# Altium PCB PCB-Tester-Board-V1.PcbDoc (part 2 of 3)
Units mm, origin at the board's own origin, x right, y up, seen from the top; angles counter-clockwise.
Board outline 400 x 300 mm, 2 copper layers (Top Layer, Bottom Layer); 573 components, 588 nets, 2372 pads, 0 vias.
Unrouted connection lines stored in the file: 1691.
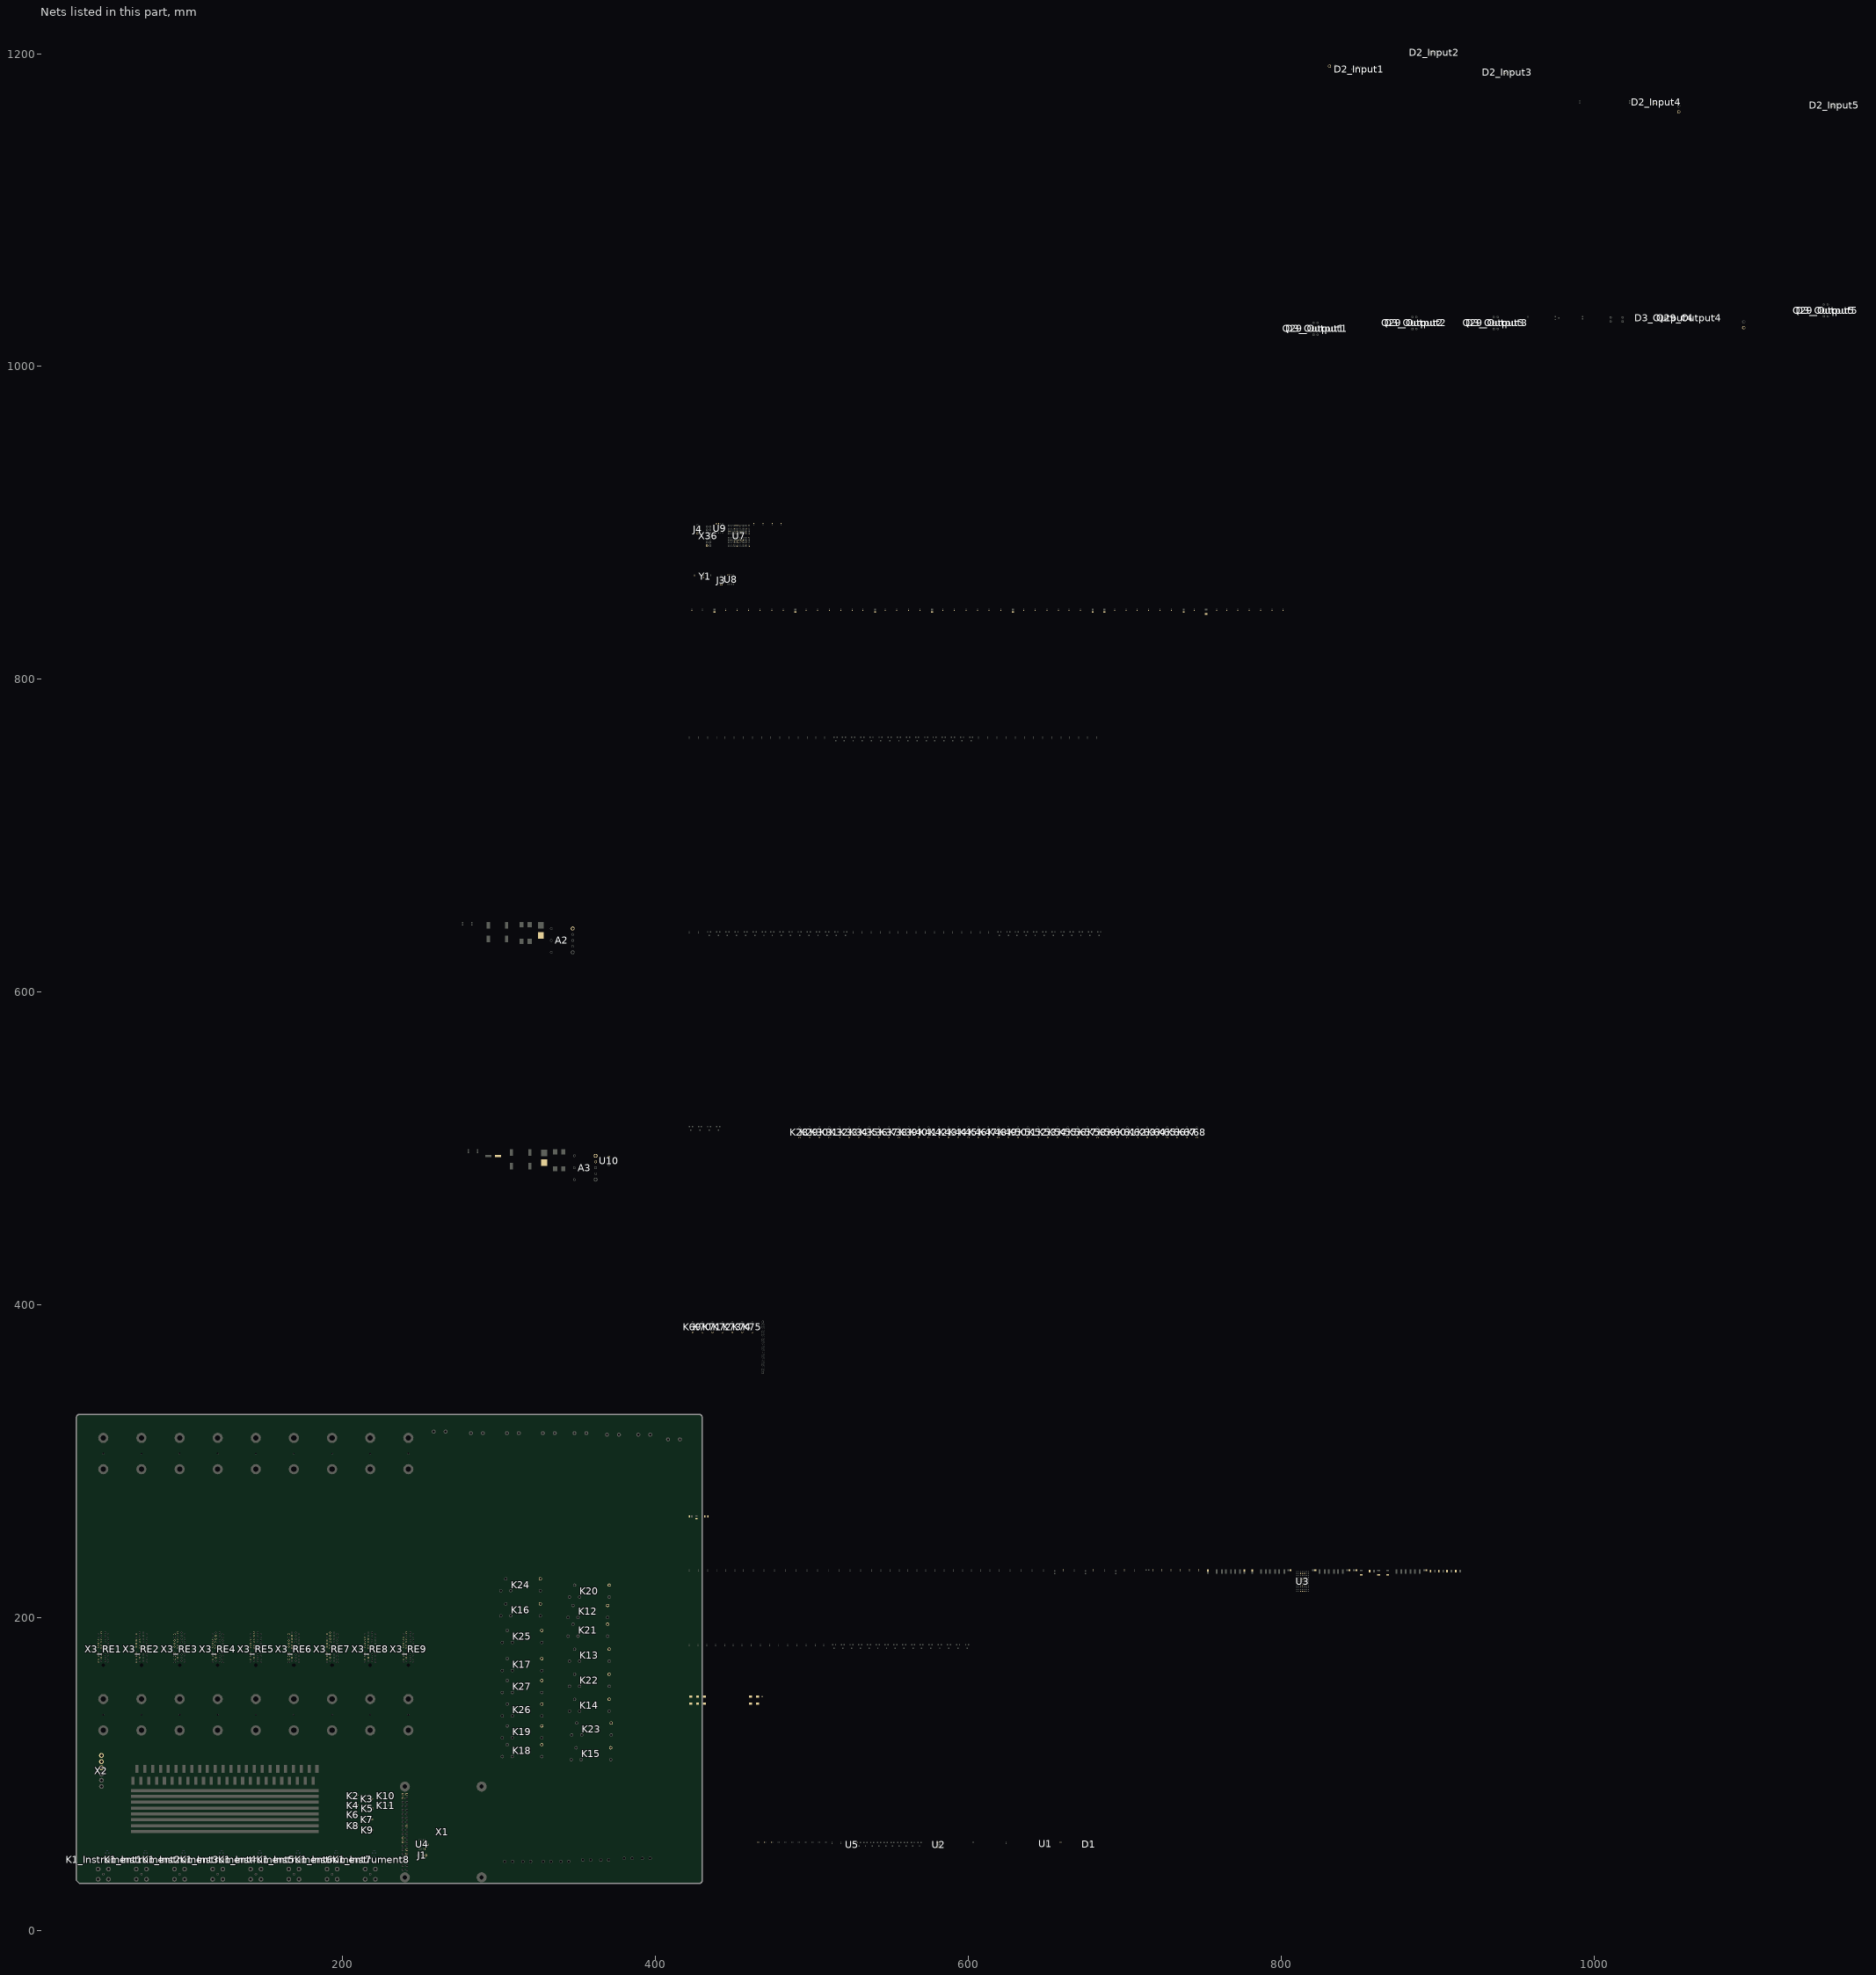
[diagram p2: the nets of this part, all layers, seen from the top]

## Footprints (in the part's own frame and the unit in brackets; to place one, negate y for a bottom-side part, rotate by r counter-clockwise, add the part's x,y. Pads: shape width x height; smd on the part's side, far side on the other; paste and mask are expansions set on the pad) (continued)
CONFIG48 [mm] "PCB Tester Configuration area (48 relays)"
  rect 2x5 smd: 1(-58.75,-3.75) 2(-56.25,3.75) 3(-53.75,-3.75) 4(-51.25,3.75) 5(-48.75,-3.75) 6(-46.25,3.75) 7(-43.75,-3.75) 8(-41.25,3.75) 9(-38.75,-3.75) 10(-36.25,3.75) 11(-33.75,-3.75) 12(-31.25,3.75) 13(-28.75,-3.75) 14(-26.25,3.75) 15(-23.75,-3.75) 16(-21.25,3.75) 17(-18.75,-3.75) 18(-16.25,3.75) 19(-13.75,-3.75) 20(-11.25,3.75) 21(-8.75,-3.75) 22(-6.25,3.75) 23(-3.75,-3.75) 24(-1.25,3.75) 25(1.25,-3.75) 26(3.75,3.75) 27(6.25,-3.75) 28(8.75,3.75) 29(11.25,-3.75) 30(13.75,3.75) 31(16.25,-3.75) 32(18.75,3.75) 33(21.25,-3.75) 34(23.75,3.75) 35(26.25,-3.75) 36(28.75,3.75) 37(31.25,-3.75) 38(33.75,3.75) 39(36.25,-3.75) 40(38.75,3.75) 41(41.25,-3.75) 42(43.75,3.75) 43(46.25,-3.75) 44(48.75,3.75) 45(51.25,-3.75) 46(53.75,3.75) 47(56.25,-3.75) 48(58.75,3.75)
  rect 120x2 smd paste-100: ABUS0(0,-10) ABUS1(0,-13.75) ABUS2(0,-17.5) ABUS3(0,-21.25) ABUS4(0,-25) ABUS5(0,-28.75) ABUS6(0,-32.5) ABUS7(0,-36.25)
FB0805 [mm] "SMT Ferrite Bead 0805"
  rect 0.8x1.3 smd: 1(-0.9,0) 2(0.9,0)
  body extent -1.15,-0.63 1.15,0.64, height 1.05
"Header 100mil 3x1" [mil] "HMTSW-103-07-G-S-240"
  round 60 hole 40: 1(-100,0) 2(0,0) 3(100,0)
  silkscreen extent -150,-50 150,50, body extent -150,-49 150,49, height 340
HF118F005-1ZS1 [mm] "Power Relay (Switch Over)"
  round 2 hole 1.3 unplated paste-5: 1(-12.55,-3.81) 2(9.55,-3.81) 3(12.75,3.81) 4(6.35,3.81) 5(-12.55,3.81)
  silkscreen extent -14.25,-5.05 14.25,5.05, body extent -14.25,-5.05 14.25,5.05, height 12.2
HSM2.5-6.4-16-2 [mm] "M2.5 x 16 mm hex standoff"
  body extent -3.69,-3.2 3.7,3.2, height 16
I3A-POSETIVE [mm]
  round 1.7 hole 1.2 paste+0: 1(-6.8,7.6) 2(-6.8,0) 3(-6.8,-7.6) 5(6.8,-3.8) 6(6.8,0) 7(6.8,3.8)
  round 2.5 hole 1.7 paste+0: 4(6.8,-7.6) 8(6.8,7.6)
  silkscreen extent -9.49,-11.68 9.56,11.68, body extent -9.49,-11.68 9.56,11.68, height 9.54
JumperSMD [mm] "Chip Resistor, Body 1.6x0.8mm (LxW typ), IPC High Density"
  rect 1.2x1 smd: 1(-0.711,0) 2(0.711,0)
  body extent -0.89,-0.4 0.71,0.4, height 0.45
L0603G [mm] "LTST-C191KGKT"
  rect 0.8x0.8 smd: 1(-0.825,0) 2(0.825,0)
  silkscreen extent 1.7,-0.3 1.7,0.3, body extent -0.8,-0.4 0.8,0.4, height 0.8
LTM4644 [mm]
  round 0.63 smd: A1(-3.81,6.35) A2(-2.54,6.35) A3(-1.27,6.35) A4(0,6.35) A5(1.27,6.35) A6(2.54,6.35) A7(3.81,6.35) B1(-3.81,5.08) B2(-2.54,5.08) B3(-1.27,5.08) B4(0,5.08) B5(1.27,5.08) B6(2.54,5.08) B7(3.81,5.08) C1(-3.81,3.81) C2(-2.54,3.81) C3(-1.27,3.81) C4(0,3.81) C5(1.27,3.81) C6(2.54,3.81) C7(3.81,3.81) D1(-3.81,2.54) D2(-2.54,2.54) D3(-1.27,2.54) D4(0,2.54) D5(1.27,2.54) D6(2.54,2.54) D7(3.81,2.54) E1(-3.81,1.27) E2(-2.54,1.27) E3(-1.27,1.27) E4(0,1.27) E5(1.27,1.27) E6(2.54,1.27) E7(3.81,1.27) F1(-3.81,0) F2(-2.54,0) F3(-1.27,0) F4(0,0) F5(1.27,0) F6(2.54,0) F7(3.81,0) G1(-3.81,-1.27) G2(-2.54,-1.27) G3(-1.27,-1.27) G4(0,-1.27) G5(1.27,-1.27) G6(2.54,-1.27) G7(3.81,-1.27) H1(-3.81,-2.54) H2(-2.54,-2.54) H3(-1.27,-2.54) H4(0,-2.54) H5(1.27,-2.54) H6(2.54,-2.54) H7(3.81,-2.54) J1(-3.81,-3.81) J2(-2.54,-3.81) J3(-1.27,-3.81) J4(0,-3.81) J5(1.27,-3.81) J6(2.54,-3.81) J7(3.81,-3.81) K1(-3.81,-5.08) K2(-2.54,-5.08) K3(-1.27,-5.08) K4(0,-5.08) K5(1.27,-5.08) K6(2.54,-5.08) K7(3.81,-5.08) L1(-3.81,-6.35) L2(-2.54,-6.35) L3(-1.27,-6.35) L4(0,-6.35) L5(1.27,-6.35) L6(2.54,-6.35) L7(3.81,-6.35)
  silkscreen extent -5.27,-7.5 4.5,7.5, body extent -4.5,-7.5 4.5,7.5, height 5.11
LTMM-107-02-F-D [mm] "CONN HEADER VERT 14POS 2MM (Xilinx JTAG)"
  rect 1.4x1.4 hole 0.9 paste+0: 1(-6,-1)
  round 1.4 hole 0.9 paste+0: 2(-6,1) 3(-4,-1) 4(-4,1) 5(-2,-1) 6(-2,1) 7(0,-1) 8(0,1) 9(2,-1) 10(2,1) 11(4,-1) 12(4,1) 13(6,-1) 14(6,1)
  silkscreen extent -8.19,-3.01 8.19,3.52, body extent -8.19,-3.01 8.19,3.52, height 4.83
NT0201 [mm] "10 mil"
  rect 0.3x0.3 smd paste-1: 1(-0.3,0) 2(0.3,0)
  Top Layer lines w0.254: -0.3,0 0.3,0
OMNI-Fuse [mm] "SMD2 Fuse Clip"
  rect 4.24x3.81 smd: 1(-3.19,0) 2(3.19,0)
  silkscreen extent -4.7,-2.5 4.7,2.5, body extent -4.92,-2.51 4.91,2.52, height 3.81
"PCB Tester Support" [mm]
  round 6.5 hole 3.4 unplated paste-1: 0(-10,0) 0(10,0)
  round 1 hole 1.1 unplated paste-1: 0(0,0)
  silkscreen extent -15,-5 15,5, body extent -15,-5 15,5, height 133
PCIE-036-02-F-D-TH [mm] "CONN PCI EXP FMALE 36POS 0.039"
  round 1 hole 2.35 unplated paste-2: 0(-9.15,0) 0(0,0)
  round 1 hole 0.7 paste-2: A1(11.65,-1.25) A2(10.65,-3.25) A3(9.65,-1.25) A4(8.65,-3.25) A5(7.65,-1.25) A6(6.65,-3.25) A7(5.65,-1.25) A8(4.65,-3.25) A9(3.65,-1.25) A10(2.65,-3.25) A11(1.65,-1.25) A12(-1.35,-3.25) A13(-2.35,-1.25) A14(-3.35,-3.25) A15(-4.35,-1.25) A16(-5.35,-3.25) A17(-6.35,-1.25) A18(-7.35,-3.25) B1(11.65,1.25) B2(10.65,3.25) B3(9.65,1.25) B4(8.65,3.25) B5(7.65,1.25) B6(6.65,3.25) B7(5.65,1.25) B8(4.65,3.25) B9(3.65,1.25) B10(2.65,3.25) B11(1.65,1.25) B12(-1.35,3.25) B13(-2.35,1.25) B14(-3.35,3.25) B15(-4.35,1.25) B16(-5.35,3.25) B17(-6.35,1.25) B18(-7.35,3.25)
  silkscreen extent -10.36,-4.1 14.64,5.05, body extent -10.36,-3.65 14.64,5.05, height 11.01
"R0201 Reflow" [mm] "SMT Resistor 0201 Reflow Soldering"
  rect 0.33x0.33 smd: 1(-0.275,0) 2(0.275,0)
  body extent -0.3,-0.15 0.3,0.15, height 0.23
"R0402 Reflow" [mm] "SMT Resistor 0402 Reflow Soldering"
  rect 0.55x0.55 smd: 1(-0.4,0) 2(0.4,0)
  body extent -0.5,-0.25 0.5,0.25, height 0.35
"R0603 Reflow" [mm] "SMT Resistor 0603 Reflow Soldering"
  rect 0.9x0.8 smd: 1(-0.7,0) 2(0.7,0)
  body extent -0.8,-0.4 0.8,0.4, height 0.45
RPI4B [mm] "Raspberry Pi 4B"
  body extent -32.5,-3.5 56.49,54.9, height 19.79
"RPI4B Footprint" [mm] "Footprint for Raspberry Pi 4B"
  round 6.4 hole 2.7 unplated paste-6.5: 0(-29,49) 0(-29,0) 0(29,49) 0(29,0)
  rect 1.5x1.5 hole 1.1 paste-2: 1(-24.13,1.27)
  round 1.5 hole 1.1 paste-2: 2(-24.13,-1.27) 3(-21.59,1.27) 4(-21.59,-1.27) 5(-19.05,1.27) 6(-19.05,-1.27) 7(-16.51,1.27) 8(-16.51,-1.27) 9(-13.97,1.27) 10(-13.97,-1.27) 11(-11.43,1.27) 12(-11.43,-1.27) 13(-8.89,1.27) 14(-8.89,-1.27) 15(-6.35,1.27) 16(-6.35,-1.27) 17(-3.81,1.27) 18(-3.81,-1.27) 19(-1.27,1.27) 20(-1.27,-1.27) 21(1.27,1.27) 22(1.27,-1.27) 23(3.81,1.27) 24(3.81,-1.27) 25(6.35,1.27) 26(6.35,-1.27) 27(8.89,1.27) 28(8.89,-1.27) 29(11.43,1.27) 30(11.43,-1.27) 31(13.97,1.27) 32(13.97,-1.27) 33(16.51,1.27) 34(16.51,-1.27) 35(19.05,1.27) 36(19.05,-1.27) 37(21.59,1.27) 38(21.59,-1.27) 39(24.13,1.27) 40(24.13,-1.27)
  silkscreen extent -32.5,-3.5 32.5,54.9, body extent -25.65,-2.54 25.65,2.54, height 13.59
SC70-5 [mm]
  rect 0.47x1 smd: 1(-0.65,-0.9) 2(0,-0.9) 3(0.65,-0.9) 4(0.65,0.9) 5(-0.65,0.9)
  body extent -1,-1.05 1,1.05, height 0.95
SMD-CAP-ALU-E [mm] "Ø8.0mm x 6.2mm"
  rect 4x1.6 smd: 1(3.1,0) 2(-3.1,0)
  silkscreen extent -4.3,-4.2 4.3,4.2, body extent -4.5,-4.15 4.5,4.15, height 6.2
SMD-CAP-ALU-G [mm] "Ø10.0mm x 10.2mm"
  rect 4.1x2 smd: 1(4.35,0) 2(-4.35,0)
  silkscreen extent -5.2,-5.1 5.2,5.1, body extent -5.8,-5.15 5.8,5.15, height 10.2
SOD128 [mm] "PMEG4050EP,115"
  rect 1.3x1.9 smd: 1(-2.2,0) 2(2.2,0)
  silkscreen extent -1.2,-1.35 1.06,1.35, body extent -2.5,-1.35 2.5,1.35, height 1.1
"SOIC8 (R-8)" [mil] "Generic 8 lead SOIC Narrow Body"
  rect 20x39 smd: 1(-75,-113) 2(-25,-113) 3(25,-113) 4(75,-113) 5(75,113) 6(25,113)
  rect 20x40 smd: 7(-25,113) 8(-75,113)
  silkscreen extent -102,-79 102,79, body extent -98,-122 98,122, height 69
SOT23-3 [mm]
  rect 0.8x0.9 smd mask+0.1: 1(0.95,1.15) 2(-0.95,1.15) 3(0,-1.15)
  body extent -1.45,-1.4 1.45,1.4, height 1.3
TDFN10EP [mm] "Microchip TDFN 10 pins, exposed pad"
  rect 0.3x0.8 smd: 1(-1,-1.5) 2(-0.5,-1.5) 3(0,-1.5) 4(0.5,-1.5) 5(1,-1.5) 6(1,1.5) 7(0.5,1.5) 8(0,1.5) 9(-0.5,1.5) 10(-1,1.5)
  rect 2.3x1.8 smd: 11(0,0)
  body extent -1.5,-1.5 1.5,1.5, height 0.75
TFC-124-01-F-D-LC [mm] "48 pin box header straight"
  round 1.6 hole 1.19 unplated: 0(-16.192,0) 0(16.192,0)
  rect 0.8x0.8 hole 0.635 paste+0: 1(-14.605,-0.635)
  round 0.8 hole 0.635 paste+0: 2(-14.605,0.635) 3(-13.335,-0.635) 4(-13.335,0.635) 5(-12.065,-0.635) 6(-12.065,0.635) 7(-10.795,-0.635) 8(-10.795,0.635) 9(-9.525,-0.635) 10(-9.525,0.635) 11(-8.255,-0.635) 12(-8.255,0.635) 13(-6.985,-0.635) 14(-6.985,0.635) 15(-5.715,-0.635) 16(-5.715,0.635) 17(-4.445,-0.635) 18(-4.445,0.635) 19(-3.175,-0.635) 20(-3.175,0.635) 21(-1.905,-0.635) 22(-1.905,0.635) 23(-0.635,-0.635) 24(-0.635,0.635) 25(0.635,-0.635) 26(0.635,0.635) 27(1.905,-0.635) 28(1.905,0.635) 29(3.175,-0.635) 30(3.175,0.635) 31(4.445,-0.635) 32(4.445,0.635) 33(5.715,-0.635) 34(5.715,0.635) 35(6.985,-0.635) 36(6.985,0.635) 37(8.255,-0.635) 38(8.255,0.635) 39(9.525,-0.635) 40(9.525,0.635) 41(10.795,-0.635) 42(10.795,0.635) 43(12.065,-0.635) 44(12.065,0.635) 45(13.335,-0.635) 46(13.335,0.635) 47(14.605,-0.635) 48(14.605,0.635)
  silkscreen extent -16.83,-2.86 16.83,2.86, body extent -16.83,-2.86 16.83,2.86, height 5.59
TSOT23-6(S6) [mm] "6-Lead Plastic TSOT-23"
  rect 0.62x1.225 smd: 1(-0.95,-1.31) 2(0,-1.31) 3(0.95,-1.31) 4(0.95,1.31) 5(0,1.31) 6(-0.95,1.31)
  body extent -1.45,-1.41 1.45,1.41, height 1
XC7A15T-1CSG324C [mm] "BGA, 324-Leads, Body 15.00x15.00mmx1.50mm, Pitch 0.80mm"
  round 0.41 smd: A1(-6.8,6.8) A2(-6,6.8) A3(-5.2,6.8) A4(-4.4,6.8) A5(-3.6,6.8) A6(-2.8,6.8) A7(-2,6.8) A8(-1.2,6.8) A9(-0.4,6.8) A10(0.4,6.8) A11(1.2,6.8) A12(2,6.8) A13(2.8,6.8) A14(3.6,6.8) A15(4.4,6.8) A16(5.2,6.8) A17(6,6.8) A18(6.8,6.8) B1(-6.8,6) B2(-6,6) B3(-5.2,6) B4(-4.4,6) B5(-3.6,6) B6(-2.8,6) B7(-2,6) B8(-1.2,6) B9(-0.4,6) B10(0.4,6) B11(1.2,6) B12(2,6) B13(2.8,6) B14(3.6,6) B15(4.4,6) B16(5.2,6) B17(6,6) B18(6.8,6) C1(-6.8,5.2) C2(-6,5.2) C3(-5.2,5.2) C4(-4.4,5.2) C5(-3.6,5.2) C6(-2.8,5.2) C7(-2,5.2) C8(-1.2,5.2) C9(-0.4,5.2) C10(0.4,5.2) C11(1.2,5.2) C12(2,5.2) C13(2.8,5.2) C14(3.6,5.2) C15(4.4,5.2) C16(5.2,5.2) C17(6,5.2) C18(6.8,5.2) D1(-6.8,4.4) D2(-6,4.4) D3(-5.2,4.4) D4(-4.4,4.4) D5(-3.6,4.4) D6(-2.8,4.4) D7(-2,4.4) D8(-1.2,4.4) D9(-0.4,4.4) D10(0.4,4.4) D11(1.2,4.4) D12(2,4.4) D13(2.8,4.4) D14(3.6,4.4) D15(4.4,4.4) D16(5.2,4.4) D17(6,4.4) D18(6.8,4.4) E1(-6.8,3.6) E2(-6,3.6) E3(-5.2,3.6) E4(-4.4,3.6) E5(-3.6,3.6) E6(-2.8,3.6) E7(-2,3.6) E8(-1.2,3.6) E9(-0.4,3.6) E10(0.4,3.6) E11(1.2,3.6) E12(2,3.6) E13(2.8,3.6) E14(3.6,3.6) E15(4.4,3.6) E16(5.2,3.6) E17(6,3.6) E18(6.8,3.6) F1(-6.8,2.8) F2(-6,2.8) F3(-5.2,2.8) F4(-4.4,2.8) F5(-3.6,2.8) F6(-2.8,2.8) F7(-2,2.8) F8(-1.2,2.8) F9(-0.4,2.8) F10(0.4,2.8) F11(1.2,2.8) F12(2,2.8) F13(2.8,2.8) F14(3.6,2.8) F15(4.4,2.8) F16(5.2,2.8) F17(6,2.8) F18(6.8,2.8) G1(-6.8,2) G2(-6,2) G3(-5.2,2) G4(-4.4,2) G5(-3.6,2) G6(-2.8,2) G7(-2,2) G8(-1.2,2) G9(-0.4,2) G10(0.4,2) G11(1.2,2) G12(2,2) G13(2.8,2) G14(3.6,2) G15(4.4,2) G16(5.2,2) G17(6,2) G18(6.8,2) H1(-6.8,1.2) H2(-6,1.2) H3(-5.2,1.2) H4(-4.4,1.2) H5(-3.6,1.2) H6(-2.8,1.2) H7(-2,1.2) H8(-1.2,1.2) H9(-0.4,1.2) H10(0.4,1.2) H11(1.2,1.2) H12(2,1.2) H13(2.8,1.2) H14(3.6,1.2) H15(4.4,1.2) H16(5.2,1.2) H17(6,1.2) H18(6.8,1.2) J1(-6.8,0.4) J2(-6,0.4) J3(-5.2,0.4) J4(-4.4,0.4) J5(-3.6,0.4) J6(-2.8,0.4) J7(-2,0.4) J8(-1.2,0.4) J9(-0.4,0.4) J10(0.4,0.4) J11(1.2,0.4) J12(2,0.4) J13(2.8,0.4) J14(3.6,0.4) J15(4.4,0.4) J16(5.2,0.4) J17(6,0.4) J18(6.8,0.4) K1(-6.8,-0.4) K2(-6,-0.4) K3(-5.2,-0.4) K4(-4.4,-0.4) K5(-3.6,-0.4) K6(-2.8,-0.4) K7(-2,-0.4) K8(-1.2,-0.4) K9(-0.4,-0.4) K10(0.4,-0.4) K11(1.2,-0.4) K12(2,-0.4) K13(2.8,-0.4) K14(3.6,-0.4) K15(4.4,-0.4) K16(5.2,-0.4) K17(6,-0.4) K18(6.8,-0.4) L1(-6.8,-1.2) L2(-6,-1.2) L3(-5.2,-1.2) L4(-4.4,-1.2) L5(-3.6,-1.2) L6(-2.8,-1.2) L7(-2,-1.2) L8(-1.2,-1.2) L9(-0.4,-1.2) L10(0.4,-1.2) L11(1.2,-1.2) L12(2,-1.2) L13(2.8,-1.2) L14(3.6,-1.2) L15(4.4,-1.2) L16(5.2,-1.2) L17(6,-1.2) L18(6.8,-1.2) M1(-6.8,-2) M2(-6,-2) M3(-5.2,-2) M4(-4.4,-2) M5(-3.6,-2) M6(-2.8,-2) M7(-2,-2) M8(-1.2,-2) M9(-0.4,-2) M10(0.4,-2) M11(1.2,-2) M12(2,-2) M13(2.8,-2) M14(3.6,-2) M15(4.4,-2) M16(5.2,-2) M17(6,-2) M18(6.8,-2) N1(-6.8,-2.8) N2(-6,-2.8) N3(-5.2,-2.8) N4(-4.4,-2.8) N5(-3.6,-2.8) N6(-2.8,-2.8) N7(-2,-2.8) N8(-1.2,-2.8) N9(-0.4,-2.8) N10(0.4,-2.8) N11(1.2,-2.8) N12(2,-2.8) N13(2.8,-2.8) N14(3.6,-2.8) N15(4.4,-2.8) N16(5.2,-2.8) N17(6,-2.8) N18(6.8,-2.8) P1(-6.8,-3.6) P2(-6,-3.6) P3(-5.2,-3.6) P4(-4.4,-3.6) P5(-3.6,-3.6) P6(-2.8,-3.6) P7(-2,-3.6) P8(-1.2,-3.6) P9(-0.4,-3.6) P10(0.4,-3.6) P11(1.2,-3.6) P12(2,-3.6) P13(2.8,-3.6) P14(3.6,-3.6) P15(4.4,-3.6) P16(5.2,-3.6) P17(6,-3.6) P18(6.8,-3.6) R1(-6.8,-4.4) R2(-6,-4.4) R3(-5.2,-4.4) R4(-4.4,-4.4) R5(-3.6,-4.4) R6(-2.8,-4.4) R7(-2,-4.4) R8(-1.2,-4.4) R9(-0.4,-4.4) R10(0.4,-4.4) R11(1.2,-4.4) R12(2,-4.4) R13(2.8,-4.4) R14(3.6,-4.4) R15(4.4,-4.4) R16(5.2,-4.4) R17(6,-4.4) R18(6.8,-4.4) T1(-6.8,-5.2) T2(-6,-5.2) T3(-5.2,-5.2) T4(-4.4,-5.2) T5(-3.6,-5.2) T6(-2.8,-5.2) T7(-2,-5.2) T8(-1.2,-5.2) T9(-0.4,-5.2) T10(0.4,-5.2) T11(1.2,-5.2) T12(2,-5.2) T13(2.8,-5.2) T14(3.6,-5.2) T15(4.4,-5.2) T16(5.2,-5.2) T17(6,-5.2) T18(6.8,-5.2) U1(-6.8,-6) U2(-6,-6) U3(-5.2,-6) U4(-4.4,-6) U5(-3.6,-6) U6(-2.8,-6) U7(-2,-6) U8(-1.2,-6) U9(-0.4,-6) U10(0.4,-6) U11(1.2,-6) U12(2,-6) U13(2.8,-6) U14(3.6,-6) U15(4.4,-6) U16(5.2,-6) U17(6,-6) U18(6.8,-6) V1(-6.8,-6.8) V2(-6,-6.8) V3(-5.2,-6.8) V4(-4.4,-6.8) V5(-3.6,-6.8) V6(-2.8,-6.8) V7(-2,-6.8) V8(-1.2,-6.8) V9(-0.4,-6.8) V10(0.4,-6.8) V11(1.2,-6.8) V12(2,-6.8) V13(2.8,-6.8) V14(3.6,-6.8) V15(4.4,-6.8) V16(5.2,-6.8) V17(6,-6.8) V18(6.8,-6.8)
  silkscreen extent -8.27,-7.5 7.5,7.5, body extent -7.5,-7.5 7.5,7.5, height 1.5

## Part data
A1: library part RPI4B, "RASPBERRY PI 4 MODEL B 4GB SDRAM", 02. Distributor Part Number=1690-RASPBERRYPI4B/4GB-ND, 04. Manufacturer="Raspberry Pi", 01. Distributor=DigiKey, 03. Unit Price=60.53, 13. Created Date/Name="??? / Hören", ComponentLink1Description=Info, ComponentLink1URL=https://www.digikey.de/products/en/development-boards-kits-programmers/evaluation-boards-embedded-mcu-dsp/786?k=Raspberry&k=&pkeyword=Raspberry&sv=0&pv1742=392511&sf=0&FV=-8%7C786&quantity=&ColumnSort=0&page=1&pageSize=25, ComponentLink2Description=DataSheet, ComponentLink2URL=https://www.raspberrypi.org/documentation/hardware/raspberrypi/bcm2711/rpi_DATA_2711_1p0_preliminary.pdf
A2: library part i3A4W005A150V-001-R, "DC DC CONVERTER 5-30V 135W", 13. Created Date/Name="AUG 2018 / Hören", ComponentLink1Description=Info, ComponentLink1URL=https://www.digikey.de/products/en/power-supplies-board-mount/dc-dc-converters/922?k=i3A4W005A150V, ComponentLink2Description=DataSheet, ComponentLink2URL=https://www.us.tdk-lambda.com/ftp/specs/i3a_full_datasheet.pdf?ref_disty=digikey, Efficiency=?˜90%, NicName=i3A4W005A150V-001-R
A3: library part i3A4W008A033V-001-R, "DC DC CONVERTER 3.3-16.5V", 02. Distributor Part Number=285-2720-ND, 04. Manufacturer="TDK-Lambda Americas Inc.", 07. Manufacturer  Part Number=I3A4W008A033V-001-R, 01. Distributor=DigiKey, 03. Unit Price=20.58, 11. RoHS=YES, 13. Created Date/Name="AUG 2018 / Hören", ComponentLink1Description=Info, ComponentLink1URL=https://www.digikey.de/products/en?keywords=I3A4W008A033V-001-R, ComponentLink2Description=DataSheet, ComponentLink2URL=https://www.us.tdk-lambda.com/ftp/specs/i3a_full_datasheet.pdf?ref_disty=digikey, NicName=I3A4W008A033V-001-R
BNC1_Instrument1 BNC1_Instrument2 BNC1_Instrument3 BNC1_Instrument4 BNC1_Instrument5 BNC1_Instrument6 BNC1_Instrument7 BNC1_Instrument8: library part BNC, "BNC Connector", 07. Manufacturer  Part Number="[see model description]", 01. Distributor=DigiKey, 13. Created Date/Name="AUG 2018 / Hören", ComponentLink1Description=Info, ComponentLink2Description=DataSheet, ComponentLink3Description=FootPrint, System=Connector
C1: "Capacitor Unpolarized", 09. Operating Temperature=-xx..+yy°C, Tolerance=±20%, 11. RoHS=???, 13. Created Date/Name=AUG2018/Hören, ComponentLink1Description=Info, ComponentLink2Description=DataSheet
C2 C4 C5 C17: "CAP CER 0.1UF 16V X7R 0402", 02. Distributor Part Number=399-7761-6-ND, 04. Manufacturer=KEMET, 07. Manufacturer  Part Number=C0402C104J4RACTU, 09. Operating Temperature="-55°C ~ 125°C", Package=0402, Tolerance=±5%, Voltage Rating=16V, 01. Distributor=DigiKey, 03. Unit Price=0.45, 11. RoHS=YES, 13. Created Date/Name=AUG2018/Hören, ComponentLink1Description=Info, ComponentLink1URL=https://www.digikey.de/product-detail/en/kemet/C0402C104J4RACTU/399-7761-6-ND/3472292, ComponentLink2Description=DataSheet, ComponentLink2URL=https://content.kemet.com/datasheets/KEM_C1002_X7R_SMD.pdf, Type=X7R
C3: "CAP CER 2200PF 50V X7R 0402", 02. Distributor Part Number=1276-1532-6-ND, 04. Manufacturer="Samsung Electro-Mechanics", 07. Manufacturer  Part Number=CL05B222JB5NNNC, 09. Operating Temperature="-55°C ~ 125°C", Package=0402, Tolerance=±5%, Voltage Rating=50V, 01. Distributor=DigiKey, 03. Unit Price=0.09, 11. RoHS=YES, 13. Created Date/Name=AUG2018/Hören, ComponentLink1Description=Info, ComponentLink1URL=https://www.digikey.de/product-detail/en/samsung-electro-mechanics/CL05B222JB5NNNC/1276-1532-6-ND/3892046, ComponentLink2Description=DataSheet, Type=X7R
C6: "CAP CER 1UF 6.3V X7R 0402", 02. Distributor Part Number=490-13339-6-ND, 04. Manufacturer="Murata Electronics", 07. Manufacturer  Part Number=GRM155R70J105KA12J, 09. Operating Temperature="-55°C ~ 125°C", Package=0402, Tolerance=±10%, Voltage Rating=6.3V, 01. Distributor=DigiKey, 03. Unit Price=0.11, 11. RoHS=YES, 13. Created Date/Name=AUG2018/Hören, ComponentLink1Description=Info, ComponentLink1URL=https://www.digikey.de/product-detail/en/murata-electronics/GRM155R70J105KA12J/490-13339-6-ND/5973468, ComponentLink2Description=DataSheet, Type=X7R
C7 C8 C18 C19 C20 C21 C22 C23: "CAP CER 10UF 25V X7R 1206", 02. Distributor Part Number=445-7705-6-ND, 04. Manufacturer="TDK Corporation", 07. Manufacturer  Part Number=C3216X7R1E106K160AB, 09. Operating Temperature="-55°C ~ 125°C", Package=1206, Tolerance=±10%, Voltage Rating=25V, 01. Distributor=DigiKey, 03. Unit Price=0.66, 11. RoHS=YES, 13. Created Date/Name=AUG2018/Hören, ComponentLink1Description=Info, ComponentLink1URL=https://www.digikey.de/products/en?keywords=445-7705-6-ND, ComponentLink2Description=DataSheet, Type=X7R
C9 C10: "CAP CER 10UF 10V X7R 0805", 02. Distributor Part Number=1276-1764-6-ND, 04. Manufacturer="Samsung Electro-Mechanics", 07. Manufacturer  Part Number=CL21B106KPQNNNE, 09. Operating Temperature="-55°C ~ 125°C", Package=0805, Tolerance=±10%, Voltage Rating=10V, 01. Distributor=DigiKey, 03. Unit Price=0.24, 11. RoHS=YES, 13. Created Date/Name=AUG2018/Hören, ComponentLink1Description=Info, ComponentLink1URL=https://www.digikey.de/products/en?keywords=1276-1764-6-ND, ComponentLink2Description=DataSheet, Type=X7R
C11 C14: "CAP ALUM 330UF 20% 50V SMD", 02. Distributor Part Number=PCE5026DKR-ND, 04. Manufacturer="Panasonic Electronic Components", 07. Manufacturer  Part Number=EEE-FT1H331AP, 09. Operating Temperature="-55°C ~ 105°C", Tolerance=±20%, Voltage Rating=50V, 01. Distributor=DigiKey, 03. Unit Price=0.96, 3D-Export=No, 11. RoHS=YES, 13. Created Date/Name=AUG2018/Hören, ComponentLink1Description=Info, ComponentLink1URL=https://www.digikey.de/product-detail/en/panasonic-electronic-components/EEE-FT1H331AP/PCE5026DKR-ND/2652105, ComponentLink2Description=DataSheet, ComponentLink2URL=https://industrial.panasonic.com/cdbs/www-data/pdf/RDE0000/ABA0000C1240.pdf, ESR="120 m?"
C12 C15: "CAP ALUM POLY HYB 100UF 50V SMD", 02. Distributor Part Number=P15442DKR-ND, 04. Manufacturer="Panasonic Electronic Components", 07. Manufacturer  Part Number=EEH-ZA1H101P, 09. Operating Temperature="-55°C ~ 105°C", Tolerance=±20%, Voltage Rating=50V, 01. Distributor=DigiKey, 03. Unit Price=2.5, 3D-Export=No, 11. RoHS=YES, 13. Created Date/Name=AUG2018/Hören, ComponentLink1Description=Info, ComponentLink1URL=https://www.digikey.de/product-detail/en/panasonic-electronic-components/EEH-ZA1H101P/P15442DKR-ND/3088152, ComponentLink2Description=DataSheet, ComponentLink2URL=https://industrial.panasonic.com/cdbs/www-data/pdf/RDD0000/ABA0000C1221.pdf, ESR="28 m?"
C16: "CAP ALUM 220UF 20% 6.3V SMD", 02. Distributor Part Number=PCE3985DKR-ND, 04. Manufacturer="Panasonic Electronic Components", 07. Manufacturer  Part Number=EEE-FC0J221P, 09. Operating Temperature="-40°C ~ 105°C", Lifetime @ Temp="1000 Hrs @ 105°C", Package="Ø8mm x 6.2mm", Tolerance=±20%, Voltage Rating=6,3V, 01. Distributor=DigiKey, 03. Unit Price=0.57, 3D-Export=No, 11. RoHS=YES, 13. Created Date/Name=AUG2018/Hören, ComponentLink1Description=Info, ComponentLink1URL=https://www.digikey.de/product-detail/en/panasonic-electronic-components/EEE-FC0J221P/PCE3985DKR-ND/1806511, ComponentLink2Description=DataSheet, ComponentLink2URL=https://industrial.panasonic.com/cdbs/www-data/pdf/RDE0000/ABA0000C1172.pdf, ESR="400 m?", Type="Radial, Can - SMD"
C24 C25 C26 C27 C28 C29 C30 C31 C32 C33 C34 C35: "CAP CER 47UF 10V X5R 1210", 02. Distributor Part Number=1276-3380-6-ND, 04. Manufacturer="Samsung Electro-Mechanics", 07. Manufacturer  Part Number=CL32A476MPJNNNE, 09. Operating Temperature="-55°C ~ 85°C", Package=1210, Tolerance=±20%, Voltage Rating=10V, 01. Distributor=DigiKey, 03. Unit Price=0.88, 11. RoHS=YES, 13. Created Date/Name=AUG2018/Hören, ComponentLink1Description=Info, ComponentLink2Description=DataSheet, Type=X5R
C36 C37 C40 C43 C46 C49 C50 C51 C52 C53 C54 C55: "CAP CER 100PF 25V C0G/NP0 0402", 02. Distributor Part Number=399-1022-6-ND, 04. Manufacturer=KEMET, 07. Manufacturer  Part Number=C0402C101J3GACTU, 09. Operating Temperature="-55°C ~ 125°C", Package=0402, Tolerance=±5%, Voltage Rating=25V, 01. Distributor=DigiKey, 03. Unit Price=0.09, 11. RoHS=YES, 13. Created Date/Name=AUG2018/Hören, ComponentLink1Description=Info, ComponentLink1URL=https://www.digikey.de/products/en?keywords=399-1022-6-ND, ComponentLink2Description=DataSheet, Type="C0G, NP0"
C38 C41 C44 C47: "CAP CER 0.1UF 25V X7R 0402", 02. Distributor Part Number=311-2077-6-ND, 04. Manufacturer=Yageo, 07. Manufacturer  Part Number=CC0402KRX7R8BB104, 09. Operating Temperature="-55°C ~ 125°C", Package=0402, Tolerance=±10%, Voltage Rating=25V, 01. Distributor=DigiKey, 03. Unit Price=0.09, 11. RoHS=YES, 13. Created Date/Name=AUG2018/Hören, ComponentLink1Description=Info, ComponentLink1URL=https://www.digikey.de/products/en?keywords=311-2077-6-ND, ComponentLink2Description=DataSheet, Type=X7R
C39 C42 C45 C48: "CAP CER 1000PF 25V X7R 0402", 02. Distributor Part Number=399-1031-6-ND, 04. Manufacturer=KEMET, 07. Manufacturer  Part Number=C0402C102K3RACTU, 09. Operating Temperature="-55°C ~ 125°C", Package=0402, Tolerance=±10%, Voltage Rating=25V, 01. Distributor=DigiKey, 03. Unit Price=0.09, 11. RoHS=YES, 13. Created Date/Name=AUG2018/Hören, ComponentLink1Description=Info, ComponentLink1URL=https://www.digikey.de/products/en?keywords=399-1031-6-ND, ComponentLink2Description=DataSheet, Type=X7R
C310: library part CAP, "CAP CER 47UF 10V X5R 1206", 02. Distributor Part Number=1276-3063-6-ND, 04. Manufacturer="Samsung Electro-Mechanics", 07. Manufacturer  Part Number=CL31A476MPHNNNE, 09. Operating Temperature="-55°C ~ 85°C", MFR=MURATA, MFR-PN=GRM32ER71A476KE15L, MFR-TYPE="GRM series", Tolerance=±20%, Voltage Rating=10V, 01. Distributor=DigiKey, 03. Unit Price=0.64, 3D-Export=No, 11. RoHS=YES, ComponentLink1Description=Info, ComponentLink1URL=https://www.digikey.de/product-detail/en/murata-electronics-north-america/GRM32EC70J107ME15L/490-10530-6-ND/5027076, ComponentLink4Description=Info, ComponentLink4URL=https://www.digikey.de/product-detail/en/samsung-electro-mechanics/CL31A476MPHNNNE/1276-3063-6-ND/3893578, ComponentLink5Description=DataSheet, ComponentLink5URL=https://media.digikey.com/pdf/Data%20Sheets/Samsung%20PDFs/CL_Series_MLCC_ds.pdf, Parameters="X7R, 10V, 10%", POPULATED=yes, Temperature Range="-55°C ~ 85°C", Type=X7R
C311 C312 C313 C430 C431 C438 C439 C445 C446 C452 C453 C457 C458 C464 C465 C470 C471 C476 C477: library part CAP, "CAP CER 4.7UF 6.3V X5R 0402", 02. Distributor Part Number=1276-1481-6-ND, 04. Manufacturer="Samsung Electro-Mechanics", 07. Manufacturer  Part Number=CL05A475KQ5NRNC, 09. Operating Temperature="-55°C ~ 85°C", Temperature Range=-40°C/+85°C, Tolerance=10%, Voltage Rating=6V3, 01. Distributor=DigiKey, 03. Unit Price=0.28, 3D-Export=No, 11. RoHS=YES, ComponentLink4Description=DataSheet, ComponentLink4URL=https://media.digikey.com/pdf/Data%20Sheets/Samsung%20PDFs/CL_Series_MLCC_ds.pdf, ComponentLink5Description=Info, ComponentLink5URL=https://www.digikey.de/product-detail/en/samsung-electro-mechanics/CL05A475KQ5NRNC/1276-1481-6-ND/3891995, Parameters="X7R, 6V3, 10%", POPULATED=yes, Type=X7R
C314 C315 C317 C432 C433 C434 C435 C440 C441 C442 C443 C447 C448 C449 C450 C454 C455 C459 C460 C461 C462 C466 C467 C468 C469: library part CAP, "CAP CER 0.47UF 10V X5R 0402", 02. Distributor Part Number=1276-1173-6-ND, 04. Manufacturer="Samsung Electro-Mechanics", 07. Manufacturer  Part Number=CL05A474KP5NNNC, 09. Operating Temperature="-55°C ~ 85°C", Tolerance=10%, Voltage Rating=10V, 01. Distributor=DigiKey, 03. Unit Price=0.09, 3D-Export=No, 11. RoHS=YES, ComponentLink4Description=Info, ComponentLink4URL=https://www.digikey.de/product-detail/en/samsung-electro-mechanics/CL05A474KP5NNNC/1276-1173-6-ND/3891687, ComponentLink5Description=DataSheet, ComponentLink5URL=https://media.digikey.com/pdf/Data%20Sheets/Samsung%20PDFs/CL_Series_MLCC_ds.pdf, Parameters="X5R, 10V, 10%", POPULATED=yes, Temperature Range="-55°C ~ 85°C", Type=X5R
C316 C318 C436 C437 C444 C451 C456 C463: library part CAP, "CAP CER 47UF 10V X5R 0805", 02. Distributor Part Number=490-9961-6-ND, 04. Manufacturer="Murata Electronics North America", 07. Manufacturer  Part Number=GRM21BR61A476ME15L, 09. Operating Temperature="-55°C ~ 85°C", MFR=MURATA, MFR-PN=GRM32ER71A476KE15L, MFR-TYPE="GRM series", Tolerance=±20%, Voltage Rating=10V, 01. Distributor=DigiKey, 03. Unit Price=0.67, 3D-Export=No, 11. RoHS=YES, ComponentLink4Description=Info, ComponentLink4URL=https://www.digikey.de/product-detail/en/murata-electronics-north-america/GRM21BR61A476ME15L/490-9961-6-ND/5027050, ComponentLink5Description=DataSheet, ComponentLink5URL=https://search.murata.co.jp/Ceramy/image/img/A01X/G101/ENG/GRM21BR61A476ME15-01.pdf, Parameters="X7R, 10V, 10%", POPULATED=yes, Temperature Range="-55°C ~ 85°C", Type=X7R
D1: library part BAS70-04, "DIODE ARRAY SCHOTTKY 70V SOT23-3", 02. Distributor Part Number=BAS70-04-FDITR-ND, 04. Manufacturer="DIODES Inc", 09. Operating Temperature="-55°C ~ 125°C", 01. Distributor=DigiKey, 03. Unit Price=0.22, 05. Quantity=1, 07. Manufacturer  Part Number=BAS70-04, 11. RoHS=YES, 13. Created Date/Name="AUG 2018 / Hören", ComponentLink1Description=Info, ComponentLink1URL=https://www.digikey.de/products/en?keywords=BAS70-04-FDITR-ND, ComponentLink4Description=DataSheet, ComponentLink4URL=https://www.diodes.com/assets/Datasheets/ds11007.pdf
D2_Input1 D2_Input2 D2_Input3 D2_Input4 D2_Input5: library part BAV199L, "DIODE ARRAY GP 70V 215MA SOT23-3", 02. Distributor Part Number=BAV199LT1GOSDKR-ND, 04. Manufacturer="ON Semiconductor", 07. Manufacturer  Part Number=BAV199LT1G, 09. Operating Temperature="-65°C ~ 150°C", Package=SOT23-3, 01. Distributor=DigiKey, 03. Unit Price=0.19, 11. RoHS=YES, 13. Created Date/Name="AUG 2018 / Hören", ComponentLink1Description=Info, ComponentLink1URL=https://www.digikey.de/product-detail/en/on-semiconductor/BAV199LT1G/BAV199LT1GOSDKR-ND/1831717, ComponentLink2Description=DataSheet, ComponentLink2URL=http://www.onsemi.com/pub/Collateral/BAV199LT1-D.PDF, NicName=BAV199L
D3_Output1 D3_Output2 D3_Output3 D3_Output4 D3_Output5: library part HSMS-2800-TR1G, "RF DIODE SCHOTTKY 70V SOT23-3", 13. Created Date/Name="AUG 2018 / Hören", ComponentLink1Description=Info, ComponentLink1URL=https://www.digikey.de/products/en/discrete-semiconductor-products/diodes-rf/284?k=HSMS-2800&k=&pkeyword=HSMS-2800&sv=0&pv7=243&sf=0&quantity=&ColumnSort=0&page=1&pageSize=25, ComponentLink2Description=DataSheet, ComponentLink2URL=https://docs.broadcom.com/docs/AV02-0533EN
D4 D5 D6 D7 D8: library part Dz, "DIODE SCHOTTKY 40V 5A SOD128", 02. Distributor Part Number=1727-5842-6-ND, 04. Manufacturer="Nexperia USA Inc.", 07. Manufacturer  Part Number=PMEG4050EP,115, 09. Operating Temperature=<150°C, 01. Distributor=DigiKey, 03. Unit Price=0.45, 3D-Export=No, 11. RoHS=YES, 13. Created Date/Name=AUG2018/Hören, ComponentLink1Description=Info, ComponentLink1URL=https://www.digikey.de/product-detail/en/nexperia-usa-inc/PMEG4050EP115/1727-5842-6-ND/2697559, ComponentLink2Description=DataSheet, ComponentLink2URL=https://assets.nexperia.com/documents/data-sheet/PMEG4050EP.pdf
D9 D10 D11 D12: library part LED, "LED GREEN DIFFUSED 0603 SMD", 02. Distributor Part Number=475-2709-6-ND, 04. Manufacturer="OSRAM Opto Semiconductors Inc.", 07. Manufacturer  Part Number="LG L29K-G2J1-24-Z", Color=GREEN, 01. Distributor=DigiKey, 03. Unit Price=0.4, 11. RoHS=YES, 13. Created Date/Name=AUG2018/Hören, ComponentLink1Description=Info, ComponentLink1URL=https://www.digikey.de/products/en?keywords=475-2709-6-ND, ComponentLink2Description=DataSheet, ComponentLink2URL=https://www.digikey.de/products/en?keywords=475-2709-6-ND, If=2mA, Vf=1.7V, Viewing Angle=160°, Wave Length=570nm